# KiCad board neotron-pico.kicad_pcb (continued)
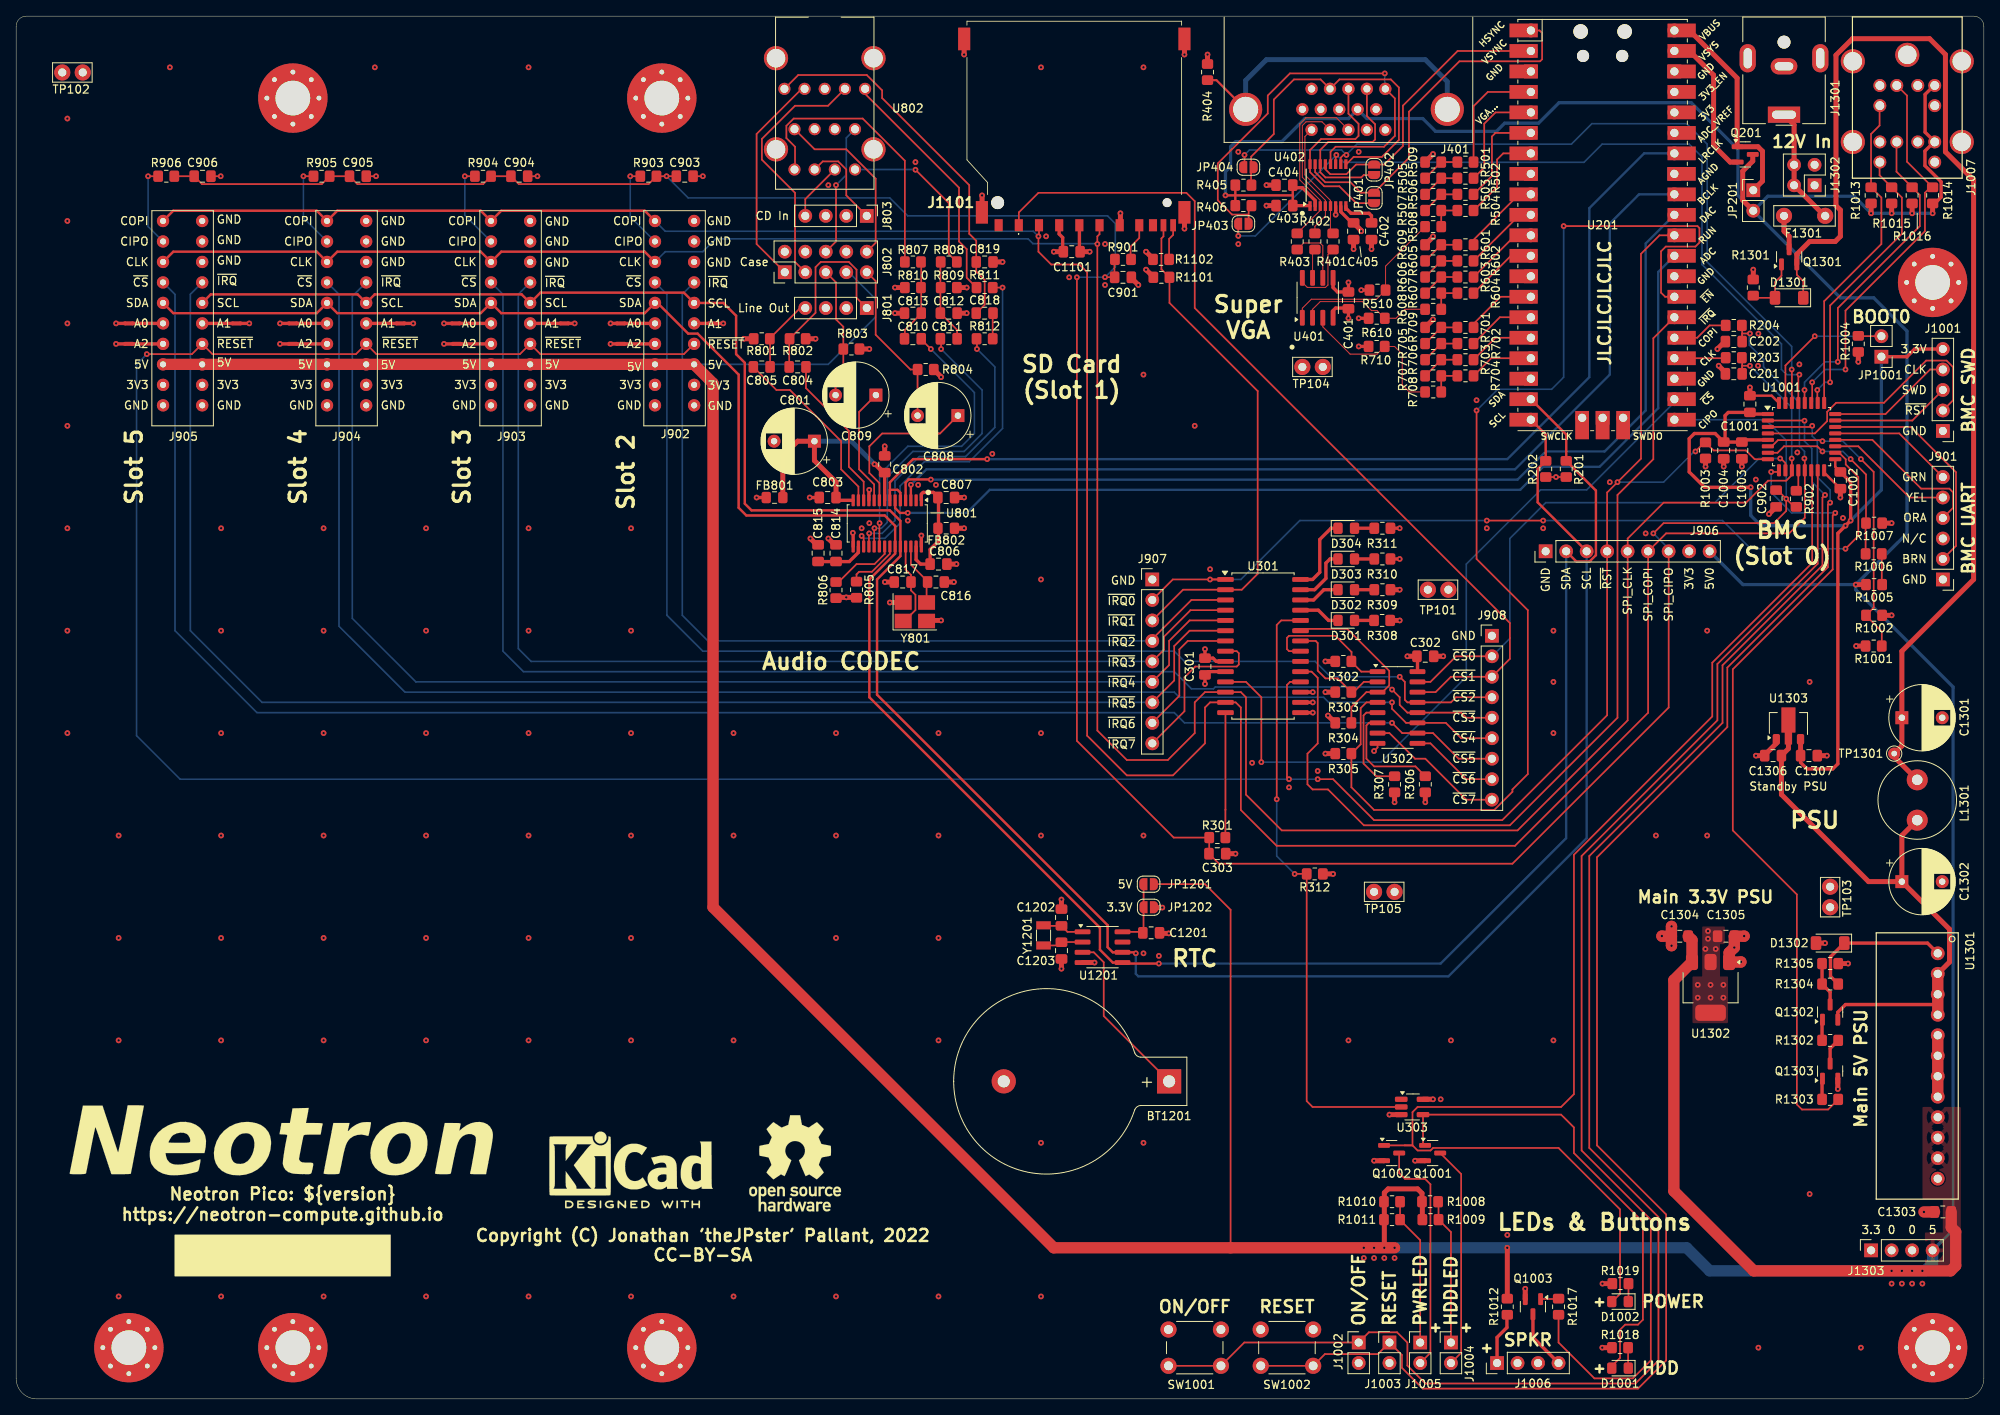
[diagram p0: board, top side]
## Library data of the parts
BT1201 = -: Description: Single-cell battery; DNP: 0; Digikey: 2057-BH-80A-1-ND; MPN: BH-80A-1; Manufacturer: Adam Tech
C201 C202 C303 C901-C906 C1202 C1203 = -: Description: Unpolarized capacitor; DNP: 1
C301 C302 C401 C403-C405 C802 C803 C806 C807 C815 C1201 C1306 C1307 = -: Description: Unpolarized capacitor; DNP: 0; JLCPCB Collection: Basic; LCSC Part#: C15850; MPN: CL21A106KAYNNNE; Manufacturer: Samsung; Tolerance: X5R; Voltage: 25V
C402 = -: Description: Unpolarized capacitor; DNP: 0; JLCPCB Collection: Basic; LCSC Part#: C5378; MPN: CL21B224KBFNNNE; Manufacturer: Samsung; Tolerance: X7R; Voltage: 50V
C801 C1301 C1302 = -: Description: Polarized capacitor; DNP: 0; Digikey: P5182-ND; MPN: ECA-1HM101; Manufacturer: Panasonic; Mouser: 667-ECA-1HM101; Tolerance: 20%; Voltage: 50V
C804 C805 C810 C811 C818 = -: Description: Unpolarized capacitor, small symbol; DNP: 0; JLCPCB Collection: Basic; LCSC Part#: C28323; MPN: CL21B105KBFNNNE; Manufacturer: Samsung; Tolerance: X7R; Voltage: 50V
C808 C809 = -: Description: Polarized capacitor, small symbol; DNP: 0; Digikey: P5182-ND; MPN: ECA-1HM101; Manufacturer: Panasonic; Mouser: 667-ECA-1HM101; Tolerance: 20%; Voltage: 50V
C812 C813 C819 = -: Description: Unpolarized capacitor, small symbol; DNP: 0; JLCPCB Collection: Basic; LCSC Part#: C14857; MPN: CL21C470JBANNNC; Manufacturer: Samsung; Tolerance: C0G; Voltage: 50V
C814 = -: Description: Unpolarized capacitor; DNP: 0; JLCPCB Collection: Basic; LCSC Part#: C49678; MPN: CC0805KRX7R9BB104; Manufacturer: Yageo; Tolerance: X7R; Voltage: 50V
C816 C817 = -: Description: Unpolarized capacitor; DNP: 0; JLCPCB Collection: Basic; LCSC Part#: C1804; MPN: CL21C220JBANNNC; Manufacturer: Samsung; Tolerance: C0G; Voltage: 50V
C1001 C1002 C1004 C1101 = -: Description: Unpolarized capacitor, small symbol; DNP: 0; JLCPCB Collection: Basic; LCSC Part#: C15850; MPN: CL21A106KAYNNNE; Manufacturer: Samsung; Tolerance: X5R; Voltage: 25V
C1003 = -: Description: Unpolarized capacitor, small symbol; DNP: 0; JLCPCB Collection: Basic; LCSC Part#: C1710; MPN: CL21B103KCANNNC; Manufacturer: Samsung; Tolerance: X7R; Voltage: 50V
C1303-C1305 = -: Description: Unpolarized capacitor; DNP: 0; JLCPCB Collection: Extended; LCSC Part#: C602037; MPN: CL21A226MAYNNNE; Manufacturer: Samsung; Tolerance: X5R; Voltage: 25V
D301-D304 D1001 D1002 = -: Description: Light emitting diode; DNP: 0; JLCPCB Collection: Basic; LCSC Part#: C2296; MPN: 17-21SUYC/TR8; Manufacturer: Hubei KENTO; Voltage: 2.1V
D1301 D1302 = -: Description: 500mW Zener Diode, MiniMELF; DNP: 0; JLCPCB Collection: Basic; LCSC Part#: C8062; MPN: ZMM5V6-M; Manufacturer: Semtech; Voltage: 5.6V
F1301 = -: Description: Resettable fuse, polymeric positive temperature coefficient; DNP: 0; Digikey: 507-0ZRS0200FF1E-ND; MPN: 0ZRS0200FF1E; Manufacturer: Bel Fuse; Mouser: 530-0ZRS0200FF1E
FB801 FB802 = -: Description: Ferrite bead, small symbol; DNP: 0; JLCPCB Collection: Basic; LCSC Part#: C1017; MPN: GZ2012D601TF; Manufacturer: Sunlord; Tolerance: 25%
H101-H107 = -: Description: Mounting Hole with connection; DNP: 1
J401 = -: Description: 15-pin female receptacle socket D-SUB connector, High density (3 columns), Triple Row, Generic, VGA-connector, Mounting Hole; DNP: 0; Digikey: 609-5180-ND‎; MPN: ICD15S13E4GV00LF; Manufacturer: Amphenol; Mouser: 649-ICD15S13E4GV00LF
J801 J803 = -: Description: Generic connector, single row, 01x04, script generated (kicad-library-utils/schlib/autogen/connector/); DNP: 0
J802 = -: Description: Generic connector, double row, 02x05, odd/even pin numbering scheme (row 1 odd numbers, row 2 even numbers), script generated (kicad-library-utils/schlib/autogen/connector/); DNP: 0
J901 = -: Description: Generic connector, single row, 01x06, script generated; DNP: 0
J902-J905 = -: Description: Expansion slot for Neotron Mainboards; DNP: 0; Digikey: A31722-ND; MPN: 5-5530843-0; Manufacturer: TE; Mouser: 571-5-5530843-0
J906-J908 = -: Description: Generic connector, single row, 01x09, script generated (kicad-library-utils/schlib/autogen/connector/); DNP: 1
J1001 = -: Description: Generic connector, single row, 01x05, script generated (kicad-library-utils/schlib/autogen/connector/); DNP: 0
J1002-J1005 = -: Description: Generic connector, single row, 01x02, script generated; DNP: 0
J1006 = -: Description: Generic connector, single row, 01x04, script generated; DNP: 0
J1007 = -: Description: Dual 6-pin DIN connector for PS/2 Keyboard and Mouse; DNP: 0; Digikey: 2092-KMDGX-6S/6S-S4N-ND; MPN: KMDGX-6S/6S-S4N; Manufacturer: Kycon; Mouser: 806-KMDGX-6S/6S-S4N
J1101 = -: Description: SD Card Reader; DNP: 0; Digikey: 664-GSD090012SEUCT-ND; MPN: GSD090012SEU; Manufacturer: Amphenol; Mouser: 523-GSD090012SEU
J1301 = -: Description: DC Barrel Jack; DNP: 0; Digikey: CP-063AH-ND; MPN: PJ-063AH; Manufacturer: CUI; Mouser: 490-PJ-063AH
J1302 = -: Description: Generic connector, double row, 02x02, odd/even pin numbering scheme (row 1 odd numbers, row 2 even numbers), script generated (kicad-library-utils/schlib/autogen/connector/); DNP: 1
J1303 = -: Description: Generic connector, single row, 01x04, script generated; DNP: 1
JP201 JP1001 = -: Description: Jumper, 2-pole, open; DNP: 0
JP401-JP404 JP1201 JP1202 = -: Description: Solder Jumper, 2-pole, open; DNP: 1
L1301 = -: Description: Inductor; DNP: 0; Digikey: 811-2042-ND; MPN: 13R223C; Manufacturer: Murata; Mouser: 580-13R223C
LOGO101-LOGO103 = -: DNP: 1
NT901-NT912 = -: Description: Net tie, 2 pins; DNP: 1
Q201 = -: Description: P-MOSFET transistor, gate/source/drain; DNP: 0; JLCPCB Collection: Extended; LCSC Part#: C144153; MPN: DMG2305UX-13; Manufacturer: Diodes Inc
Q1001 Q1002 = -: Description: 0.115A Id, 60V Vds, N-Channel MOSFET, SOT-23; DNP: 0; JLCPCB Collection: Basic; LCSC Part#: C8545; Manufacturer: JSCJ; Voltage: 60V
Q1003 Q1303 = -: Description: 0.8A Ic, 45V Vce, NPN Transistor, SOT-23; DNP: 0; JLCPCB Collection: Basic; LCSC Part#: C2150; Manufacturer: JSCJ; Voltage: 25V
Q1301 = -: Description: -4.0A Id, -30V Vds, P-Channel MOSFET, SOT-23; DNP: 0; JLCPCB Collection: Basic; LCSC Part#: C15127; Manufacturer: Alpha and Omega
Q1302 = -: Description: 0.8A Ic, 45V Vce, PNP Transistor, SOT-23; DNP: 0; JLCPCB Collection: Basic; LCSC Part#: C8542; MPN: SS8550 Y2; Manufacturer: JSCJ; Voltage: 25V
R201 R202 R405 R406 R501-R504 R509 R601-R604 R609 R701-R704 R709 = -: Description: Resistor; DNP: 0; JLCPCB Collection: Basic; LCSC Part#: C17604; MPN: 0805W8F2001T5E; Manufacturer: Uniroyal; Tolerance: 1%
R203 R204 R301 R901-R906 = -: Description: Resistor; DNP: 0; JLCPCB Collection: Basic; LCSC Part#: C17477; MPN: 0805W8F0000T5E; Manufacturer: Uniroyal; Tolerance: 1%
R302-R307 R312 R1001-R1007 R1101 R1102 R1301-R1303 R1305 = -: Description: Resistor; DNP: 0; JLCPCB Collection: Basic; LCSC Part#: C17414; MPN: 0805W8F1002T5E; Manufacturer: Uniroyal; Tolerance: 1%
R308-R311 R505-R508 R605-R608 R705-R708 R1013-R1019 R1304 = -: Description: Resistor; DNP: 0; JLCPCB Collection: Basic; LCSC Part#: C17513; MPN: 0805W8F1001T5E; Manufacturer: Uniroyal; Tolerance: 1%
R401-R403 = -: Description: Resistor; DNP: 0; JLCPCB Collection: Basic; LCSC Part#: C20638; MPN: 0805W8F750JT5E; Manufacturer: Uniroyal; Tolerance: 1%
R404 = -: Description: Resistor; DNP: 1
R510 R610 R710 = -: Description: Resistor; DNP: 0; JLCPCB Collection: Basic; LCSC Part#: C28636; MPN: 0805W8F5600T5E; Manufacturer: Uniroyal; Tolerance: 1%
R801-R804 = -: Description: Resistor, small symbol; DNP: 0; JLCPCB Collection: Basic; LCSC Part#: C149504; MPN: 0805W8F1003T5E; Manufacturer: Uniroyal; Tolerance: 1%
R805 R806 R812 = -: Description: Resistor, small symbol; DNP: 0; JLCPCB Collection: Basic; LCSC Part#: C17477; MPN: 0805W8F0000T5E; Manufacturer: Uniroyal; Tolerance: 1%
R807-R810 = -: Description: Resistor, small symbol; DNP: 0; JLCPCB Collection: Basic; LCSC Part#: C17673; MPN: 0805W8F4701T5E; Manufacturer: Uniroyal; Tolerance: 1%
R811 = -: Description: Resistor, small symbol; DNP: 0; JLCPCB Collection: Basic; LCSC Part#: C17604; MPN: 0805W8F2001T5E; Manufacturer: Uniroyal; Tolerance: 1%
R1008-R1011 = -: Description: Resistor; DNP: 0; JLCPCB Collection: Basic; LCSC Part#: C17617; MPN: 0805W8F3000T5E; Manufacturer: Uniroyal; Tolerance: 1%
R1012 = -: Description: Resistor; DNP: 0; JLCPCB Collection: Basic; LCSC Part#: C17634; MPN: 0805W8F330JT5E; Manufacturer: Uniroyal; Tolerance: 1%
SW1001 SW1002 = -: Description: Push button switch, generic, two pins; DNP: 0; Digikey: 679-2428-ND; MPN: MJTP1230; Manufacturer: APEM Inc; Mouser: 642-MJTP1230
TP101-TP105 TP1301 = -: Description: test point; DNP: 1
U201 = -: Description: Processor Board with dual-core 133 MHz Cortex-M0+, 2 MiB Flash and 256 KiB SRAM; DNP: 0; Digikey: 2648-SC0915CT-ND; Manufacturer: Raspberry Pi
U301 = -: Description: 16-bit I/O expander, SPI, interrupts, w pull-ups, SOIC-28; Digikey: MCP23S17-E/SO-ND; JLCPCB Collection: Extended; LCSC Part#: C145413; MPN: MCP23S17; Manufacturer: Microchip; Mouser: 579-MCP23S17-E/SO
U302 = -: Description: Decoder 3 to 8 active low outputs; DNP: 0; JLCPCB Collection: Extended; LCSC Part#: C5602; MPN: 74HC138D,653; Manufacturer: Nexperia
U303 = -: Description: Single NOT Gate, Low-Voltage CMOS; DNP: 0; JLCPCB Collection: Extended; LCSC Part#: C7465; MPN: SN74AHC1G04DBVR; Manufacturer: Texas Instruments
U401 = -: Description: Low Power, 3-channel Video Filter for HD Video; DNP: 0; JLCPCB Collection: Extended; LCSC Part#: C544774; Manufacturer: Texas Instruments
U402 = -: Description: 7-Channel ESD Solution for VGA Port; DNP: 0; JLCPCB Collection: Extended; LCSC Part#: C337499; MPN: TPD7S019-15DBQR; Manufacturer: Texas Instruments
U801 = -: Description: Stero Audio CODEC, 8- to 96-kHz, With Integrated Headphone Amplifier, TSSOP-28; DNP: 0; JLCPCB Collection: Extended; LCSC Part#: C9915; Manufacturer: Texas Instruments
U802 = -: Description: Triple 3.5mm TRS jack; DNP: 0; Digikey: 2092-STX-4335-5BGP-S1-ND; Manufacturer: Kycon; Mouser: 806-STX-43355BGPS1
U1001 = -: Description: STMicroelectronics Arm Cortex-M0 MCU, 32KB flash, 4KB RAM, 48 MHz, 2.4-3.6V, 25 GPIO, LQFP32; DNP: 0; JLCPCB Collection: Extended; LCSC Part#: C46830; Manufacturer: ST
U1201 = -: Description: 64 x 8, Serial, I2C Real-time clock, 4.5V to 5.5V VCC, 0°C to +70°C, SOIC-8; DNP: 0; JLCPCB Collection: Extended; LCSC Part#: C9868; Manufacturer: Maxim
U1301 = -: Description: Mornsun 8-36V to 5.0V 3A DC/DC Convertor; DNP: 0; Digikey: 2725-K7805-3AR3-ND; MPN: K7805-3AR3; Manufacturer: Mornsun
U1302 = -: Description: 1A Low Dropout regulator, positive, 3.3V fixed output, TO-252; DNP: 0; JLCPCB Collection: Basic; LCSC Part#: C6186; Manufacturer: AMS
U1303 = -: Description: 100mA Low Dropout Voltage Regulator, Fixed Output, SOT89; DNP: 0; JLCPCB Collection: Basic; LCSC Part#: C14289; MPN: HT7533-1; Manufacturer: Holtek
Y801 = -: Description: Four pin crystal, GND on pins 2 and 4; DNP: 0; JLCPCB Collection: Basic; LCSC Part#: C9002; MPN: X322512MSB4SI; Manufacturer: Yangxing Tech
Y1201 = -: Description: Two pin crystal; DNP: 0; JLCPCB Collection: Basic; LCSC Part#: C32346; MPN: Q13FC1350000400; Manufacturer: Seiko Epson

## Footprints (pads in the part's own frame, mm; a bottom-side part is the same pattern mirrored in y, then rotated)
Amphenol_GSD090012SEU
  round 1.1 hole 1.1 unplated: (-11.499,9.475)
  round 1.6 hole 1.6 unplated: (9.501,9.475)
  rect 1x1.5 smd: 1(6.875,12.275) 2(4.375,12.275) 3(1.875,12.275) 4(-0.625,12.275) 5(-3.125,12.275) 6(-5.625,12.275) 7(-8.05,12.275) 8(-9.75,12.275) 9(9.375,12.275)
  rect 0.7x1.5 smd: 10(-11.05,12.275) 11(-12.25,12.275)
  rect 1.5x2.8 smd: 12(-13.65,10.675) 12(11.451,10.675) 13(-13.65,-10.825) 13(13.65,-10.825)
Amphenol_ICD15S13E4GV00LF
  round 4.1 hole 3.1: 0(-12.74,0) 0(12.25,0)
  round 1.524 hole 0.9: 1(-4.57,-2.54) 2(-2.285,-2.54) 3(0,-2.54) 4(2.285,-2.54) 5(4.57,-2.54) 6(-5.713,0) 7(-3.428,0) 8(-1.143,0) 9(1.143,0) 10(3.428,0) 11(-4.57,2.54) 12(-2.285,2.54) 13(0,2.54) 14(2.285,2.54) 15(4.57,2.54)
BarrelJack_CUI_PJ-063AH_Horizontal
  round 1.6 hole 1.6 unplated: (0,-9)
  rect 4x2 hole 3x1: 1(0,0)
  oval 3.3x2 hole 2.3x1: 2(0,-6)
  oval 2x3.5 hole 1x2.5: MP(-4.5,-7) MP(4.5,-7)
BatteryHolder_Keystone_103_1x20mm
  rect 3x3 hole 1.5: 1(0,0)
  round 3 hole 1.5: 2(20.49,0)
Bel Fuse 0ZRS0200FF
  round 2 hole 1: 1(0,0) 2(5.1,0)
C_0805_2012Metric_Pad1.18x1.45mm_HandSolder
  rrect 1.175x1.45 smd: 1(-1.038,0) 2(1.038,0)
CP_Radial_D8.0mm_P5.00mm
  rect 1.6x1.6 hole 0.8: 1(0,0)
  round 1.6 hole 0.8: 2(5,0)
Crystal_SMD_3215-2Pin_3.2x1.5mm
  rect 1x1.8 smd: 1(1.25,0) 2(-1.25,0)
Crystal_SMD_3225-4Pin_3.2x2.5mm_HandSoldering
  rect 2.1x1.8 smd: 1(-1.45,-1.15) 2(1.45,-1.15) 3(1.45,1.15) 4(-1.45,1.15)
D_MiniMELF
  rrect 1.3x1.7 smd: 1(-1.75,0) 2(1.75,0)
Double_mini-DIN_6
  round 2.99 hole 2.29: 0(-6.75,5.5) 0(-6.75,-4.5) 0(0,6.3) 0(6.75,5.5) 0(6.75,-4.5)
  round 1.6 hole 1.1: 1(-1.3,2.5) 2(1.3,2.5) 3(-3.4,2.5) 4(3.4,2.5) 5(-3.4,0) 6(3.4,0) 7(-1.3,-4.5) 8(1.3,-4.5) 9(-3.4,-4.5) 10(3.4,-4.5) 11(-3.4,-7) 12(3.4,-7)
K78xx-3AR3
  round 1.7 hole 1.02: 1(-12.7,0) 2(-10.16,0) 2(-7.62,0) 2(-5.08,0) 3(-2.54,0) 3(0,0) 3(2.54,0) 3(5.08,0) 4(7.62,0) 4(10.16,0) 4(12.7,0) 5(15.24,0)
L_0805_2012Metric_Pad1.15x1.40mm_HandSolder
  rrect 1.15x1.4 smd: 1(-1.025,0) 2(1.025,0)
L_Radial_D9.5mm_P5.00mm_Fastron_07HVP
  round 2.6 hole 1.3: 1(0,0) 2(5,0)
LED_0805_2012Metric_Pad1.15x1.40mm_HandSolder
  rrect 1.15x1.4 smd: 1(-1.025,0) 2(1.025,0)
LQFP-32_7x7mm_P0.8mm
  rrect 1.5x0.5 smd: 1(-4.175,2.8) 2(-4.175,2) 3(-4.175,1.2) 4(-4.175,0.4) 5(-4.175,-0.4) 6(-4.175,-1.2) 7(-4.175,-2) 8(-4.175,-2.8) 17(4.175,-2.8) 18(4.175,-2) 19(4.175,-1.2) 20(4.175,-0.4) 21(4.175,0.4) 22(4.175,1.2) 23(4.175,2) 24(4.175,2.8)
  rrect 0.5x1.5 smd: 9(-2.8,-4.175) 10(-2,-4.175) 11(-1.2,-4.175) 12(-0.4,-4.175) 13(0.4,-4.175) 14(1.2,-4.175) 15(2,-4.175) 16(2.8,-4.175) 25(2.8,4.175) 26(2,4.175) 27(1.2,4.175) 28(0.4,4.175) 29(-0.4,4.175) 30(-1.2,4.175) 31(-2,4.175) 32(-2.8,4.175)
MountingHole_4.3mm_M4_Pad_Via
  round 0.9 hole 0.6: 1(-3.225,0) 1(-2.28,2.28) 1(-2.28,-2.28) 1(0,3.225) 1(0,-3.225) 1(2.28,2.28) 1(2.28,-2.28) 1(3.225,0)
  round 8.6 hole 4.3: 1(0,0)
Neotron-Expansion-Slot
  round 1.524 hole 0.762: 1(-2.426,0) 2(2.426,0) 3(-2.426,-2.54) 4(2.426,-2.54) 5(-2.426,-5.08) 6(2.426,-5.08) 7(-2.426,-7.62) 8(2.426,-7.62) 9(-2.426,-10.16) 10(2.426,-10.16) 11(-2.426,-12.7) 12(2.426,-12.7) 13(-2.426,-15.24) 14(2.426,-15.24) 15(-2.426,-17.78) 16(2.426,-17.78) 17(-2.426,-20.32) 18(2.426,-20.32) 19(-2.426,-22.86) 20(2.426,-22.86)
NetTie-2_SMD_Pad0.5mm
  round 0.5 smd: 1(-0.5,0) 2(0.5,0)
PinHeader_1x02_P2.54mm_Vertical
  rect 1.7x1.7 hole 1: 1(0,0)
  oval 1.7x1.7 hole 1: 2(0,-2.54)
PinHeader_1x04_P2.54mm_Vertical
  rect 1.7x1.7 hole 1: 1(0,0)
  oval 1.7x1.7 hole 1: 2(0,-2.54) 3(0,-5.08) 4(0,-7.62)
PinHeader_1x05_P2.54mm_Vertical
  rect 1.7x1.7 hole 1: 1(0,0)
  oval 1.7x1.7 hole 1: 2(0,-2.54) 3(0,-5.08) 4(0,-7.62) 5(0,-10.16)
PinHeader_1x06_P2.54mm_Vertical
  rect 1.7x1.7 hole 1: 1(0,0)
  oval 1.7x1.7 hole 1: 2(0,-2.54) 3(0,-5.08) 4(0,-7.62) 5(0,-10.16) 6(0,-12.7)
PinHeader_1x09_P2.54mm_Vertical
  rect 1.7x1.7 hole 1: 1(0,0)
  oval 1.7x1.7 hole 1: 2(0,-2.54) 3(0,-5.08) 4(0,-7.62) 5(0,-10.16) 6(0,-12.7) 7(0,-15.24) 8(0,-17.78) 9(0,-20.32)
PinHeader_2x05_P2.54mm_Vertical
  rect 1.7x1.7 hole 1: 1(0,0)
  oval 1.7x1.7 hole 1: 2(2.54,0) 3(0,-2.54) 4(2.54,-2.54) 5(0,-5.08) 6(2.54,-5.08) 7(0,-7.62) 8(2.54,-7.62) 9(0,-10.16) 10(2.54,-10.16)
PinSocket_1x04_P2.54mm_Vertical
  rect 1.7x1.7 hole 1: 1(0,0)
  oval 1.7x1.7 hole 1: 2(0,-2.54) 3(0,-5.08) 4(0,-7.62)
PinSocket_2x02_P2.54mm_Vertical
  rect 1.7x1.7 hole 1: 1(0,0)
  oval 1.7x1.7 hole 1: 2(-2.54,0) 3(0,-2.54) 4(-2.54,-2.54)
R_0805_2012Metric_Pad1.20x1.40mm_HandSolder
  rrect 1.2x1.4 smd: 1(-1,0) 2(1,0)
RPi_Pico_SMD_TH
  oval 1.8x1.8 hole 1.8 unplated: (-2.725,24) (2.725,24)
  oval 1.5x1.5 hole 1.5 unplated: (-2.425,20.97) (2.425,20.97)
  oval 1.7x1.7 hole 1.02: 1(-8.89,24.13) 2(-8.89,21.59) 4(-8.89,16.51) 5(-8.89,13.97) 6(-8.89,11.43) 7(-8.89,8.89) 9(-8.89,3.81) 10(-8.89,1.27) 11(-8.89,-1.27) 12(-8.89,-3.81) 14(-8.89,-8.89) 15(-8.89,-11.43) 16(-8.89,-13.97) 17(-8.89,-16.51) 19(-8.89,-21.59) 20(-8.89,-24.13) 21(8.89,-24.13) 22(8.89,-21.59) 24(8.89,-16.51) 25(8.89,-13.97) 26(8.89,-11.43) 27(8.89,-8.89) 29(8.89,-3.81) 30(8.89,-1.27) 31(8.89,1.27) 32(8.89,3.81) 34(8.89,8.89) 35(8.89,11.43) 36(8.89,13.97) 37(8.89,16.51) 39(8.89,21.59) 40(8.89,24.13) 41(-2.54,-23.9) 43(2.54,-23.9)
  rect 3.5x1.7 smd: 1(-8.89,24.13) 2(-8.89,21.59) 3(-8.89,19.05) 4(-8.89,16.51) 5(-8.89,13.97) 6(-8.89,11.43) 7(-8.89,8.89) 8(-8.89,6.35) 9(-8.89,3.81) 10(-8.89,1.27) 11(-8.89,-1.27) 12(-8.89,-3.81) 13(-8.89,-6.35) 14(-8.89,-8.89) 15(-8.89,-11.43) 16(-8.89,-13.97) 17(-8.89,-16.51) 18(-8.89,-19.05) 19(-8.89,-21.59) 20(-8.89,-24.13) 21(8.89,-24.13) 22(8.89,-21.59) 23(8.89,-19.05) 24(8.89,-16.51) 25(8.89,-13.97) 26(8.89,-11.43) 27(8.89,-8.89) 28(8.89,-6.35) 29(8.89,-3.81) 30(8.89,-1.27) 31(8.89,1.27) 32(8.89,3.81) 33(8.89,6.35) 34(8.89,8.89) 35(8.89,11.43) 36(8.89,13.97) 37(8.89,16.51) 38(8.89,19.05) 39(8.89,21.59) 40(8.89,24.13)
  rect 1.7x1.7 hole 1.02: 3(-8.89,19.05) 8(-8.89,6.35) 13(-8.89,-6.35) 18(-8.89,-19.05) 23(8.89,-19.05) 28(8.89,-6.35) 33(8.89,6.35) 38(8.89,19.05) 42(0,-23.9)
  rect 1.7x3.5 smd: 41(-2.54,-23.9) 42(0,-23.9) 43(2.54,-23.9)
SOIC-8_3.9x4.9mm_P1.27mm
  rrect 1.95x0.6 smd: 1(-2.475,1.905) 2(-2.475,0.635) 3(-2.475,-0.635) 4(-2.475,-1.905) 5(2.475,-1.905) 6(2.475,-0.635) 7(2.475,0.635) 8(2.475,1.905)
SOIC-16_3.9x9.9mm_P1.27mm
  rrect 1.95x0.6 smd: 1(-2.475,4.445) 2(-2.475,3.175) 3(-2.475,1.905) 4(-2.475,0.635) 5(-2.475,-0.635) 6(-2.475,-1.905) 7(-2.475,-3.175) 8(-2.475,-4.445) 9(2.475,-4.445) 10(2.475,-3.175) 11(2.475,-1.905) 12(2.475,-0.635) 13(2.475,0.635) 14(2.475,1.905) 15(2.475,3.175) 16(2.475,4.445)
SOIC-28W_7.5x17.9mm_P1.27mm
  rrect 2.05x0.6 smd: 1(-4.65,8.255) 2(-4.65,6.985) 3(-4.65,5.715) 4(-4.65,4.445) 5(-4.65,3.175) 6(-4.65,1.905) 7(-4.65,0.635) 8(-4.65,-0.635) 9(-4.65,-1.905) 10(-4.65,-3.175) 11(-4.65,-4.445) 12(-4.65,-5.715) 13(-4.65,-6.985) 14(-4.65,-8.255) 15(4.65,-8.255) 16(4.65,-6.985) 17(4.65,-5.715) 18(4.65,-4.445) 19(4.65,-3.175) 20(4.65,-1.905) 21(4.65,-0.635) 22(4.65,0.635) 23(4.65,1.905) 24(4.65,3.175) 25(4.65,4.445) 26(4.65,5.715) 27(4.65,6.985) 28(4.65,8.255)
SolderJumper-2_P1.3mm_Open_RoundedPad1.0x1.5mm
  custom 1x1.5 smd: 1(-0.65,0) 2(0.65,0)
SOT-23
  rrect 1.475x0.6 smd: 1(-0.938,0.95) 2(-0.938,-0.95) 3(0.938,0)
SOT-23-5_HandSoldering
  rrect 1.56x0.65 smd: 1(-1.35,0.95) 2(-1.35,0) 3(-1.35,-0.95) 4(1.35,-0.95) 5(1.35,0.95)
SOT-89-3
  rrect 1.3x0.9 smd: 1(-1.95,1.5) 3(-1.95,-1.5)
  custom 4.6x1.733 smd: 2(-1.863,0)
SOT-223-3_TabPin2
  rrect 2x1.5 smd: 1(-3.15,2.3) 2(-3.15,0) 3(-3.15,-2.3)
  rrect 2x3.8 smd: 2(3.15,0)
SSOP-16_3.9x4.9mm_P0.635mm
  rect 1.2x0.4 smd: 1(-2.6,2.223) 2(-2.6,1.587) 3(-2.6,0.953) 4(-2.6,0.318) 5(-2.6,-0.318) 6(-2.6,-0.953) 7(-2.6,-1.587) 8(-2.6,-2.223) 9(2.6,-2.223) 10(2.6,-1.587) 11(2.6,-0.953) 12(2.6,-0.318) 13(2.6,0.318) 14(2.6,0.953) 15(2.6,1.587) 16(2.6,2.223)
STX-4335-5BGP-S1
  round 3 hole 2.3: 0(-6.04,7.5) 0(-6.04,-3.8) 0(6.04,7.5) 0(6.04,-3.8)
  round 1.5 hole 1: 1(0,0) 2(-5,0) 3(-2.5,0) 4(2.5,0) 5(5,0) 22(-3.75,5) 23(-1.25,5) 24(1.25,5) 25(3.75,5) 32(-3.75,10) 33(-1.25,10) 34(1.25,10) 35(3.75,10)
SW_PUSH_6mm
  round 2 hole 1.1: 1(0,0) 1(6.5,0) 2(0,-4.5) 2(6.5,-4.5)
TestPoint_Bridge_Pitch2.54mm_Drill1.0mm
  round 2 hole 1: 1(0,0) 1(2.54,0)
TestPoint_THTPad_D1.5mm_Drill0.7mm
  round 1.5 hole 0.7: 1(0,0)
TSSOP-28_4.4x9.7mm_P0.65mm
  rrect 1.475x0.4 smd: 1(-2.862,4.225) 2(-2.862,3.575) 3(-2.862,2.925) 4(-2.862,2.275) 5(-2.862,1.625) 6(-2.862,0.975) 7(-2.862,0.325) 8(-2.862,-0.325) 9(-2.862,-0.975) 10(-2.862,-1.625) 11(-2.862,-2.275) 12(-2.862,-2.925) 13(-2.862,-3.575) 14(-2.862,-4.225) 15(2.862,-4.225) 16(2.862,-3.575) 17(2.862,-2.925) 18(2.862,-2.275) 19(2.862,-1.625) 20(2.862,-0.975) 21(2.862,-0.325) 22(2.862,0.325) 23(2.862,0.975) 24(2.862,1.625) 25(2.862,2.275) 26(2.862,2.925) 27(2.862,3.575) 28(2.862,4.225)

## Nets
+3.3VP: C1001.2 C1002.2 C1003.1 C1004.2 C1307.2 J1001.5 JP1001.1 U1001.1 U1001.5 U1001.17 U1303.3
+3V3: C301.1 C302.1 C401.1 C405.2 C1101.2 C1305.1 FB801.2 FB802.2 J902.17 J902.18 J903.17 J903.18 J904.17 J904.18 J905.17 J905.18 J906.8 J1101.4 J1303.1 JP1202.2 NT902.2 NT904.2 NT905.2 NT906.2 NT911.2 NT912.2 R201.2 R202.2 R302.1 R303.1 R304.1 R305.1 R306.1 R308.1 R309.1 R310.1 R311.1 R312.1 R1001.1 R1101.2 R1102.1 U301.9 U302.16 U303.5 U401.4 U402.7 U1302.2
+5V: C403.2 C404.2 C1303.1 C1304.1 J401.9 J802.7 J902.15 J902.16 J903.15 J903.16 J904.15 J904.16 J905.15 J905.16 J906.9 J1007.4 J1007.10 J1303.4 JP201.2 JP1201.2 Q201.3 R405.1 R406.1 R1005.1 R1008.1 R1009.1 R1010.1 R1011.1 R1012.2 R1013.1 R1014.1 R1015.1 R1016.1 U402.1 U402.2 U1301.4 U1302.3
/Audio/3V3_ANALOG: C801.1 C802.1 C803.1 FB801.1 U801.8 U801.14
/Audio/3V3_DIGITAL: C806.1 C807.1 FB802.1 U801.1 U801.27
GND: BT1201.2 C201.2 C202.2 C301.2 C302.2 C303.2 C401.2 C402.1 C403.1 C404.1 C405.1 C801.2 C802.2 C803.2 C806.2 C807.2 C812.1 C813.1 C814.2 C815.2 C816.1 C817.2 C819.1 C901.2 C902.2 C903.2 C904.2 C905.2 C906.2 C1001.1 C1002.1 C1003.2 C1004.1 C1101.1 C1201.1 C1202.2 C1203.2 C1301.2 C1302.2 C1303.2 C1304.2 C1305.2 C1306.1 C1307.1 D1302.2 H101.1 H102.1 H103.1 H104.1 H105.1 H106.1 H107.1 J401.5 J401.6 J401.7 J401.8 J401.10 J801.2 J801.3 J802.2 J802.4 J803.2 J803.3 J901.1 J902.2 J902.4 J902.6 J902.19 J902.20 J903.2 J903.4 J903.6 J903.19 J903.20 J904.2 J904.4 J904.6 J904.19 J904.20 J905.2 J905.4 J905.6 J905.19 J905.20 J906.1 J907.1 J908.1 J1001.1 J1002.2 J1003.2 J1007.3 J1007.9 J1101.3 J1101.6 J1101.12 J1101.13 J1301.2 J1302.1 J1302.2 J1303.2 J1303.3 NT901.2 NT903.2 NT907.2 NT908.2 NT909.2 NT910.2 Q1001.2 Q1002.2 Q1003.2 Q1303.2 R307.2 R404.1 R509.2 R510.2 R609.2 R610.2 R709.2 R710.2 R801.2 R802.1 R803.2 R804.1 R805.1 R806.1 R809.2 R810.1 R1002.2 R1003.2 R1004.2 R1007.2 R1018.2 R1019.2 R1301.2 R1305.2 SW1001.1 SW1002.1 TP101.1 TP102.1 TP103.1 TP104.1 TP105.1 U201.3 U201.8 U201.13 U201.18 U201.23 U201.28 U201.33 U201.38 U301.10 U301.15 U301.16 U301.17 U302.8 U303.3 U401.5 U402.6 U801.11 U801.15 U801.28 U802.1 U1001.16 U1001.32 U1201.4 U1301.3 U1302.1 U1303.1 Y801.2 Y801.4
/Audio/AUDIO_ADC_DATA: U201.29 U801.6
/Audio/AUDIO_ADC_LR: U201.34 U801.5 U801.7
/Audio/AUDIO_BIT_CLK: U201.32 U801.3
/Audio/AUDIO_DAC_DAT: U201.31 U801.4
/Audio/CDInL: J803.1 U802.34
/Audio/CDInR: J803.4 U802.33
/Audio/FrontHPL: C808.2 J802.9 R804.2
/Audio/FrontHPR: C809.2 J802.5 R803.1
/Audio/FrontMicAudio: J802.1 U802.4
/Audio/FrontMicBias: J802.3 U802.3
/Audio/LHpOut: C808.1 U801.9
/Audio/LineOutL: C804.2 J801.1 R802.2
/Audio/LineOutR: C805.1 J801.4 R801.1
/Audio/LLineIn: C810.2 U801.20
/Audio/LOut: C804.1 U801.12
/Audio/MicBias: R811.2 U801.17
/Audio/MicIn: R812.1 U801.18
/Audio/RearHPL: J802.10 U802.25
/Audio/RearHPR: J802.6 U802.22
/Audio/RearInL: R807.1 U802.35
/Audio/RearInR: R808.1 U802.32
/Audio/RearMicAudio: C818.1 C819.2 U802.5
/Audio/RearMicBias: R811.1 U802.2
/Audio/RHpOut: C809.1 U801.10
/Audio/RLineIn: C811.2 U801.19
/Audio/ROut: C805.2 U801.13
/Audio/VMID: C814.1 C815.1 U801.16
/BLUE0: R701.1 U201.14
/BLUE1: R702.1 U201.15
/BLUE2: R703.1 U201.16
/BLUE3: R704.1 U201.17
/GREEN0: R601.1 U201.9
/GREEN1: R602.1 U201.10
/GREEN2: R603.1 U201.11
/GREEN3: R604.1 U201.12
/IO Expander/CS_SEL0: R302.2 U301.21 U302.1
/IO Expander/CS_SEL1: R303.2 U301.22 U302.2
/IO Expander/CS_SEL2: R304.2 U301.23 U302.3
/IO Expander/E2: R307.1 U302.5
/IO Expander/E3: R306.2 U302.6
/IO Expander/HDD_LED: D1001.2 Q1001.1 U303.4
/IO Expander/~{CS0}: J908.2 U302.15 U1001.10
/IO Expander/~{CS1}: J908.3 J1101.1 U302.14
/IO Expander/~{CS2}: J902.7 J908.4 U302.13
/IO Expander/~{CS3}: J903.7 J908.5 U302.12
/IO Expander/~{CS4}: J904.7 J908.6 U302.11
/IO Expander/~{CS5}: J905.7 J908.7 U302.10
/IO Expander/~{CS6}: J908.8 U302.9
/IO Expander/~{CS7}: J908.9 U302.7
/IO Expander/~{IRQ0}: J907.2 U301.1 U1001.18
/IO Expander/~{IRQ1}: J907.3 J1101.10 R1101.1 U301.2
/IO Expander/~{IRQ2}: J902.8 J907.4 U301.3
/IO Expander/~{IRQ3}: J903.8 J907.5 U301.4
/IO Expander/~{IRQ4}: J904.8 J907.6 U301.5
/IO Expander/~{IRQ5}: J905.8 J907.7 U301.6
/IO Expander/~{IRQ6}: J907.8 U301.7
/IO Expander/~{IRQ7}: J907.9 U301.8
/IO Expander/~{IRQ_IO}: U201.26 U301.19
/IO Expander/~{LED0}: R312.2 U301.24 U303.2
/IO Expander/~{LED1}: D301.1 U301.25
/IO Expander/~{LED2}: D302.1 U301.26
/IO Expander/~{LED3}: D303.1 U301.27
/IO Expander/~{LED4}: D304.1 U301.28
/IO Expander/~{OUTPUT_EN}: R305.2 U201.27 U302.4
/IO Expander/~{SPI_CS}: U201.22 U301.11
/Power Supply/DC_ON: R1303.2 U1001.9
/Power Supply/PSU_CTRL: D1302.1 R1304.1 U1301.1
/Real Time Clock/BATT_PWR: BT1201.1 U1201.3
/RED0: R501.1 U201.4
/RED1: R502.1 U201.5
/RED2: R503.1 U201.6
/RED3: R504.1 U201.7
/Slots and Peripherals/BMC/BUZZER: R1017.1 U1001.15
/Slots and Peripherals/BMC/LED0: D1002.2 Q1002.1 U1001.14
/Slots and Peripherals/BMC/MON_3V3: R1001.2 R1002.1 U1001.6
/Slots and Peripherals/BMC/MON_5V: R1006.2 R1007.1 U1001.7
/Slots and Peripherals/BMC/PS2_CLK0: J1007.5 R1013.2 U1001.25
/Slots and Peripherals/BMC/PS2_CLK1: J1007.11 R1015.2 U1001.26
/Slots and Peripherals/BMC/PS2_DAT0: J1007.1 R1014.2 U1001.27
/Slots and Peripherals/BMC/PS2_DAT1: J1007.7 R1016.2 U1001.28
/Slots and Peripherals/BMC/SPK_N: J1006.4 Q1003.3
/Slots and Peripherals/BMC/SPK_P: J1006.1 R1012.1
/Slots and Peripherals/BMC/SWCLK: J1001.4 U1001.24
/Slots and Peripherals/BMC/SWDIO: J1001.3 U1001.23
/Slots and Peripherals/BMC/~{BMC_RST}: J1001.2 U1001.4
/Slots and Peripherals/BMC/~{BUTTON_PWR}: J1002.1 SW1001.2 U1001.2
/Slots and Peripherals/BMC/~{BUTTON_RST}: J1003.1 SW1002.2 U1001.3
/Slots and Peripherals/BMC_SCL: JP403.1 U402.11 U1001.29
/Slots and Peripherals/BMC_SDA: JP404.1 U402.10 U1001.30
/Slots and Peripherals/FTDI_BRN: J901.2 U1001.22
/Slots and Peripherals/FTDI_GRN: J901.6 U1001.21
/Slots and Peripherals/FTDI_ORA: J901.4 U1001.20
/Slots and Peripherals/FTDI_YEL: J901.5 U1001.19
/Slots and Peripherals/PICO_SCL: J902.10 J903.10 J904.10 J905.10 J906.3 R202.1 U201.20 U801.24 U1201.6
/Slots and Peripherals/PICO_SDA: J902.9 J903.9 J904.9 J905.9 J906.2 R201.1 U201.19 U801.23 U1201.5
/Slots and Peripherals/SD Card/DAT1: J1101.8
/Slots and Peripherals/SD Card/DAT2: J1101.9
/Slots and Peripherals/SD Card/~{WRITE_PROTECT}: J1101.11 R1102.2
/Slots and Peripherals/SPI_CIPO: C303.1 C901.1 C902.1 C903.1 C904.1 C905.1 C906.1 J906.7 R301.2 R901.2 R902.2 R903.2 R904.2 R905.2 R906.2 U201.21
/Slots and Peripherals/SPI_CIPO_S0: R902.1 U1001.12
/Slots and Peripherals/SPI_CIPO_S1: J1101.7 R901.1
/Slots and Peripherals/SPI_CIPO_S2: J902.3 R903.1
/Slots and Peripherals/SPI_CIPO_S3: J903.3 R904.1
/Slots and Peripherals/SPI_CIPO_S4: J904.3 R905.1
/Slots and Peripherals/SPI_CIPO_S5: J905.3 R906.1
/Slots and Peripherals/SPI_CLK: C201.1 J902.5 J903.5 J904.5 J905.5 J906.5 J1101.5 R203.2 U301.12 U1001.11
/Slots and Peripherals/SPI_COPI: C202.1 J902.1 J903.1 J904.1 J905.1 J906.6 J1101.2 R204.2 U301.13 U1001.13
/Slots and Peripherals/~{RESET}: J902.14 J903.14 J904.14 J905.14 J906.4 R1003.1 U201.30 U301.18 U1001.8
/VGA_HSYNC: JP401.1 U201.1 U402.15
/VGA_VSYNC: JP402.1 U201.2 U402.13
/Video/BLUE_ANA: R708.1 R710.1 U401.3
/Video/GREEN_ANA: R608.1 R610.1 U401.2
/Video/RED_ANA: R508.1 R510.1 U401.1
/Video/VGA_BLU: J401.3 R403.1 U402.3
/Video/VGA_DDC_SCL: J401.15 JP403.2 R406.2 U402.12
/Video/VGA_DDC_SDA: J401.12 JP404.2 R405.2 U402.9
/Video/VGA_GRN: J401.2 R402.1 U402.4
/Video/VGA_HSYNC_BUF: J401.13 JP401.2 U402.16
/Video/VGA_RED: J401.1 R401.1 U402.5
/Video/VGA_VSYNC_BUF: J401.14 JP402.2 U402.14
VDC: C1302.1 C1306.2 L1301.2 Q1302.2 U1301.2 U1303.2
Net-(C810-Pad1): C810.1 C813.2 R807.2 R810.2
Net-(C811-Pad1): C811.1 C812.2 R808.2 R809.1
Net-(C818-Pad2): C818.2 R812.2
Net-(D301-A): D301.2 R308.2
Net-(D302-A): D302.2 R309.2
Net-(D303-A): D303.2 R310.2
Net-(D304-A): D304.2 R311.2
Net-(D1001-K): D1001.1 R1018.1
Net-(D1002-K): D1002.1 R1019.1
Net-(D1301-A): D1301.2 Q1301.1 R1301.1
Net-(D1301-K): C1301.1 D1301.1 L1301.1 Q1301.2 TP1301.1
Net-(J401-Pad0): J401.0 R404.2
Net-(J902-EEPROM_ADDR0): J902.11 NT901.1
Net-(J902-EEPROM_ADDR1): J902.12 NT905.1
Net-(J902-EEPROM_ADDR2): J902.13 NT909.1
Net-(J903-EEPROM_ADDR0): J903.11 NT902.1
Net-(J903-EEPROM_ADDR1): J903.12 NT906.1
Net-(J903-EEPROM_ADDR2): J903.13 NT910.1
Net-(J904-EEPROM_ADDR0): J904.11 NT903.1
Net-(J904-EEPROM_ADDR1): J904.12 NT907.1
Net-(J904-EEPROM_ADDR2): J904.13 NT911.1
Net-(J905-EEPROM_ADDR0): J905.11 NT904.1
Net-(J905-EEPROM_ADDR1): J905.12 NT908.1
Net-(J905-EEPROM_ADDR2): J905.13 NT912.1
Net-(J1004-Pin_1): J1004.1 R1008.2 R1009.2
Net-(J1004-Pin_2): J1004.2 Q1001.3
Net-(J1005-Pin_1): J1005.1 R1010.2 R1011.2
Net-(J1005-Pin_2): J1005.2 Q1002.3
Net-(J1302-Pin_3): F1301.2 J1301.1 J1302.3 J1302.4
Net-(JP201-A): JP201.1 Q201.1 U201.40
Net-(JP1001-B): JP1001.2 R1004.1 U1001.31
Net-(JP1201-A): C1201.2 JP1201.1 JP1202.1 U1201.8
Net-(Q201-S): Q201.2 U201.39
Net-(Q1003-B): Q1003.1 R1017.2
Net-(Q1301-D): F1301.1 Q1301.3
Net-(Q1302-B): Q1302.1 R1302.1
Net-(Q1302-C): Q1302.3 R1304.2 R1305.1
Net-(Q1303-B): Q1303.1 R1303.1
Net-(Q1303-C): Q1303.3 R1302.2
Net-(R501-Pad2): R501.2 R505.2 R509.1
Net-(R502-Pad2): R502.2 R505.1 R506.2
Net-(R503-Pad2): R503.2 R506.1 R507.2
Net-(R504-Pad2): R504.2 R507.1 R508.2
Net-(R601-Pad2): R601.2 R605.2 R609.1
Net-(R602-Pad2): R602.2 R605.1 R606.2
Net-(R603-Pad2): R603.2 R606.1 R607.2
Net-(R604-Pad2): R604.2 R607.1 R608.2
Net-(R701-Pad2): R701.2 R705.2 R709.1
Net-(R702-Pad2): R702.2 R705.1 R706.2
Net-(R703-Pad2): R703.2 R706.1 R707.2
Net-(R704-Pad2): R704.2 R707.1 R708.2
Net-(R1005-Pad2): R1005.2 R1006.1
Net-(U201-GPIO18): R203.1 U201.24
Net-(U201-GPIO19): R204.1 U201.25
Net-(U301-SO): R301.1 U301.14
Net-(U401-CH1_OUT): R401.2 U401.8
Net-(U401-CH2_OUT): R402.2 U401.7
Net-(U401-CH3_OUT): R403.2 U401.6
Net-(U402-BYP): C402.2 U402.8
Net-(U801-MODE): R805.2 U801.22
Net-(U801-XTI/MCK): C817.1 U801.25 Y801.1
Net-(U801-XTO): C816.2 U801.26 Y801.3
Net-(U801-~{CS}): R806.2 U801.21
Net-(U1201-X1): C1202.1 U1201.1 Y1201.1
Net-(U1201-X2): C1203.1 U1201.2 Y1201.2

Pads without a net: J401 4 11; J802 8; J901 3; J1006 2 3; J1007 0 2 6 8 12; J1301 MP; U201 35 36 37 41 42 43; U301 20; U303 1; U801 2; U802 0 23 24; U1201 7; U1301 5

## Via types
v1: diameter 0.711, hole 0.305, Top to Bottom, 355 vias

## Routing (per net, layer and track width the routed paths; a pad name or vN(x,y) marks a point on that pad's centre or on a via; arc(x,y) is an arc through that point)
+3.3VP: length 125
  Top w0.293: 225.42,116.51 225.42,115.57 C1002.2
  Top w0.406: C1003.1 C1004.2 210.54,119.7 207.96,119.7 207.33,119.06 207.33,114.93 209.23,113.03 v1(214.95,113.03) ; JP1001.1 234.31,129.22 235.27,130.18 J1001.5 ; U1001.5 214.12,118.91 ; C1307.2 221.12,78.91 221.93,78.1 225.11,78.1 225.74,78.74 225.74,107.31 v1(226.69,108.27) v1(227.33,108.9) 227.33,113.66 C1002.2 ; U1001.1 215.05,122.11 ; C1001.2 212.16,122.31 211.77,121.92 211.77,118.81
  Top w0.61: C1307.2 221.12,81.91
  Bottom w0.406: JP1001.1 231.14,112.71 v1(226.69,108.27) 216.22,108.27 214.95,109.54 214.95,112.87 215.03,112.95
+3V3: length 47.7
  Top w0.203: R201.2 v1(190.82,114.3) R202.2
  Top w0.406: 165.11,135.25 163.51,135.25 163.19,134.94 U401.4 ; NT905.2 v1(87.63,133.35) ; 165.53,145.82 164.15,147.2 U402.7 ; 170.43,104.14 v1(171.45,104.14) ; 170.43,107.95 v1(171.45,107.95) ; U302.16 173.66,92.01 ; v1(69.22,133.35) NT906.2 ; v1(147.32,92.96) C301.1 148.31,91.84 148.72,91.44 U301.9 ; v1(53.02,133.35) NT902.2 ; NT911.2 v1(32.7,130.81) ; 131.76,142.24 131.76,145.51 ; 92.76,111.76 v1(91.76,111.76) ; v1(12.38,133.35) NT904.2 ; NT912.2 v1(12.38,130.81) ; C401.1 v1(165.1,133.98)
  Top w0.61: v1(140.02,142.24) 140.88,141.38 ; v1(166.69,144.78) 166.69,144.87 C405.2 ; v1(162.24,87.63) R303.1 ; v1(174.62,73.98) R306.1 ; v1(163.19,65.09) R312.1 ; v1(172.4,92.07) C302.1 ; v1(142.04,60.91) 141.04,60.91 ; v1(162.24,80.01) R305.1 ; v1(228.01,93.34) R1001.1 ; v1(162.24,91.44) R302.1 ; v1(162.56,84.72) R304.1 ; v1(175.58,37.15) 174.34,37.15 ; v1(171.45,96.52) R308.1 ; v1(171.45,100.33) R309.1 ; v1(133.03,142.24) C1101.2 ; v1(117.47,107.95) FB802.2 ; v1(140.02,140.02) 140.92,139.11
  vias: v1(208.38,51.34) v1(208.38,49.75) v1(209.34,55.78) v1(209.66,58) v1(209.66,57.05) v1(209.97,51.34) v1(209.97,49.75) v1(210.61,55.78) v1(211.56,51.34) v1(211.56,49.75)
